# Altium PCB miniBackplane.PcbDoc (part 22 of 24) (continued)
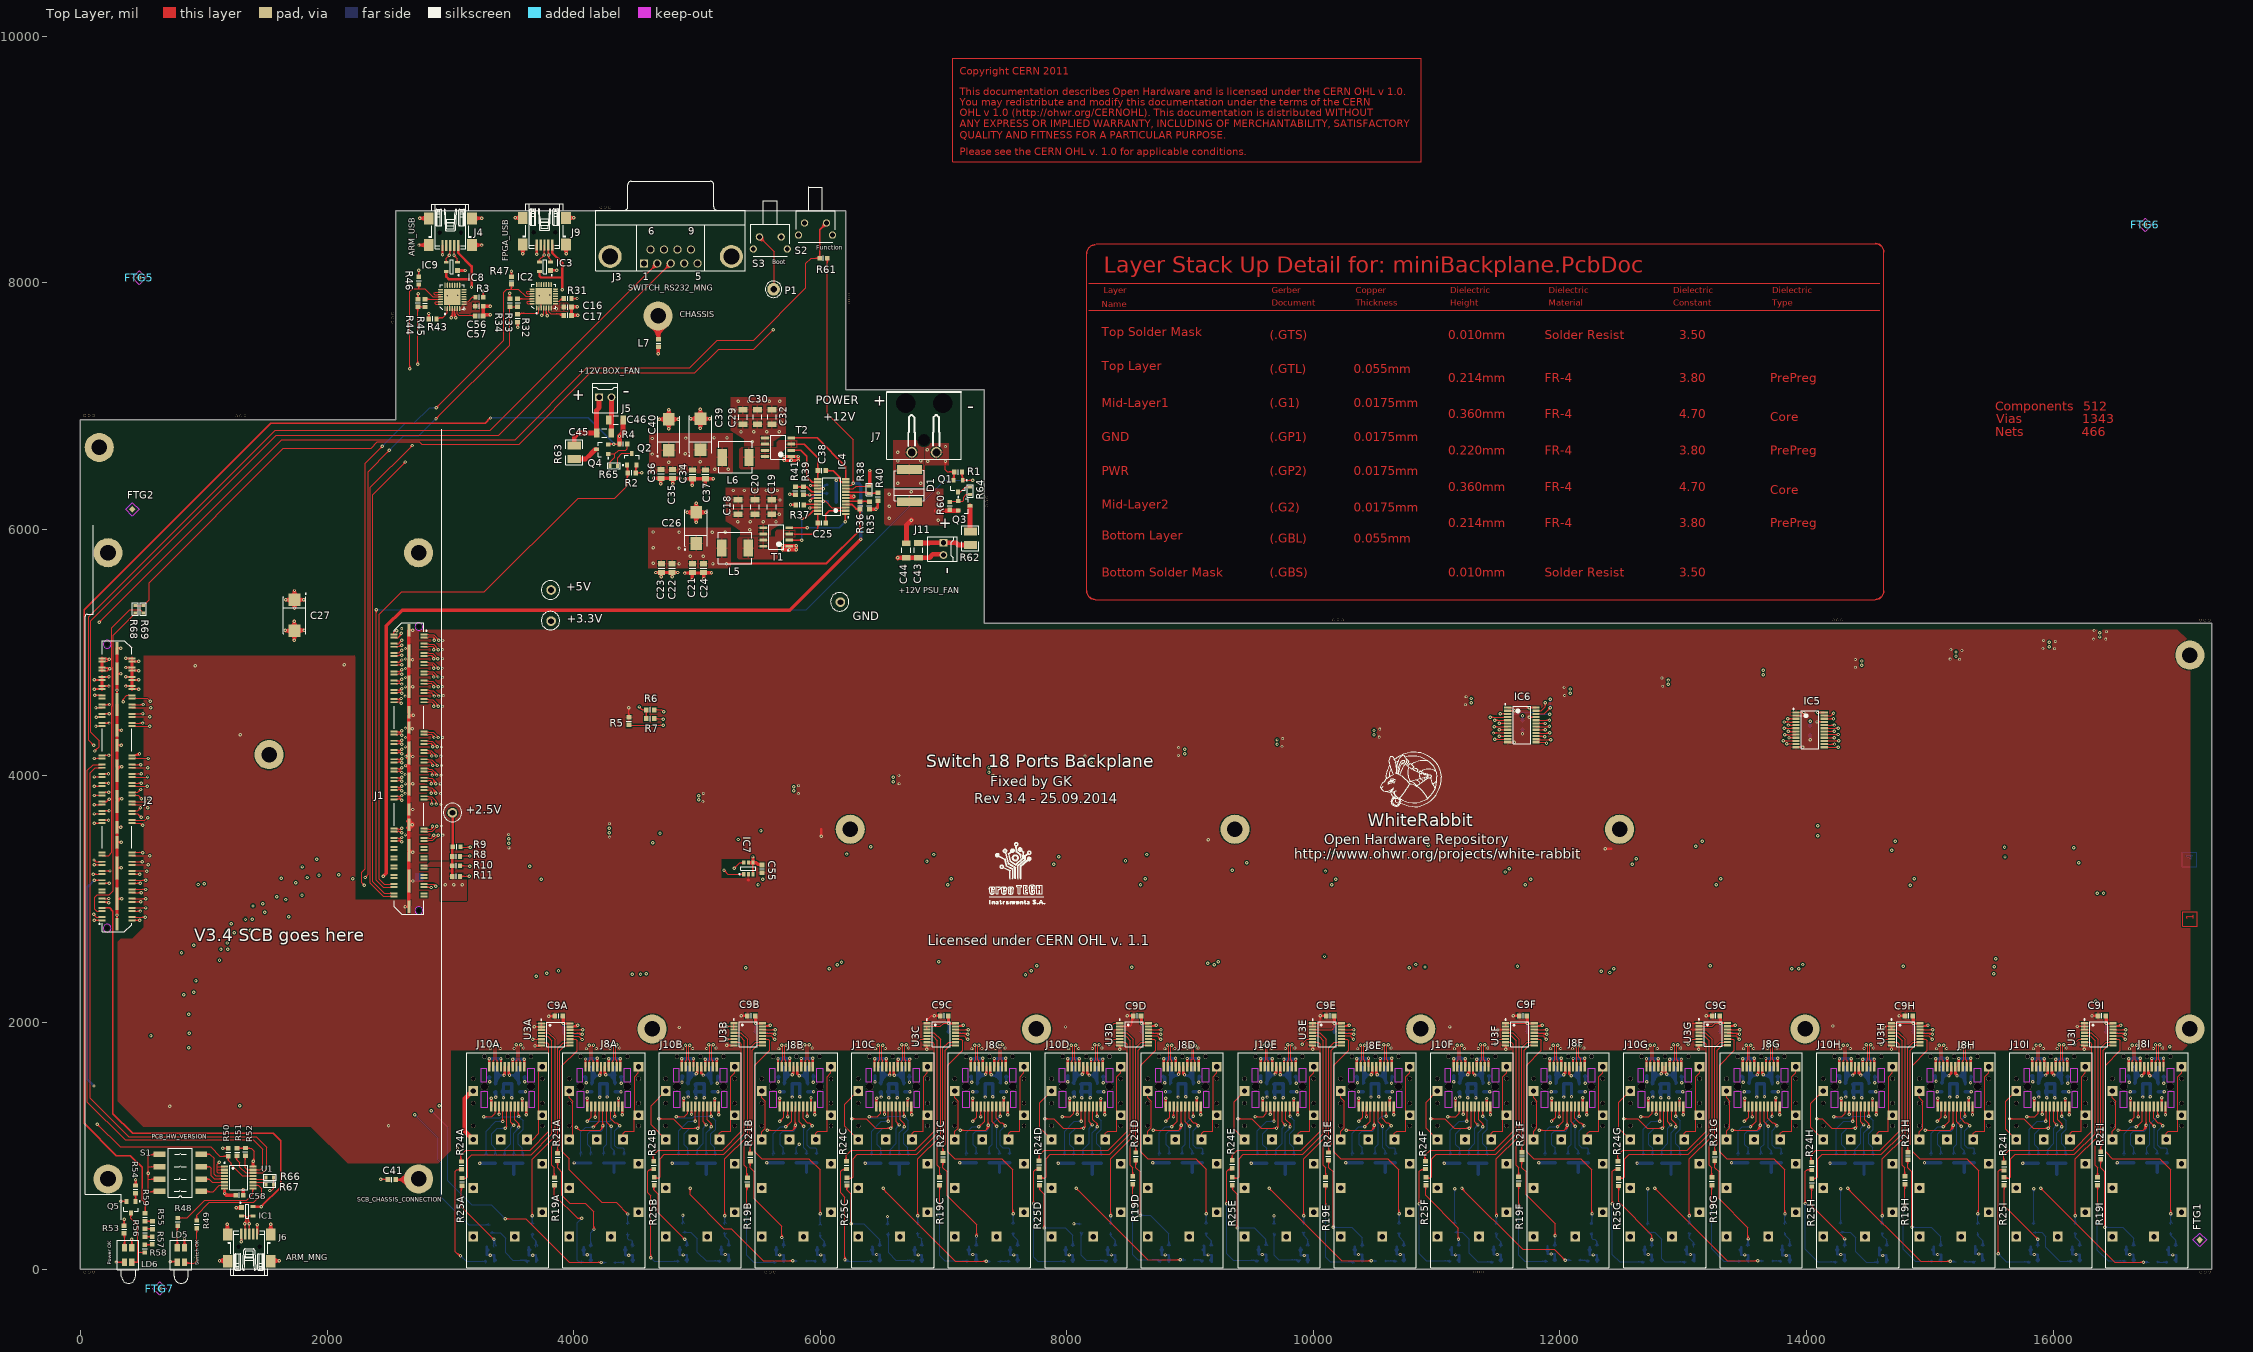
[diagram p0: Top Layer view]
## Nets (pads, with @x,y where several pads share a name; then routed paths per layer and width w, separated by ;. In a path a pad name is that pad's centre, name@x,y a point inside that pad or via, vN(x,y) a via of type N, cw(c..) or ccw(c..) an arc to the next point about the centre after c; other vN are vias at no path point) (continued)
  Mid-Layer 2 w7.09: v1(13455.69,1863.62) 13455.69,1843.62 ; v1(13560.69,1233.62) 13418.68,1233.62 13290.69,1361.61 13290.69,1678.62 13455.69,1843.62 ; 13455.69,1843.62 ccw(c13441.27,1843.62) 13449.71,1855.32 cw(c13441.27,1843.62) 13455.69,1843.62 ; 13455.69,1843.62 cw(c13470.11,1843.62) 13461.68,1855.32 ccw(c13470.11,1843.62) 13455.69,1843.62 ; 13535.98,1233.62 ccw(c13535.98,1258.33) 13553.45,1240.86 cw(c13535.98,1258.33) 13535.98,1233.62 ; 13535.98,1233.62 cw(c13535.98,1208.91) 13553.45,1226.38 ccw(c13535.98,1208.91) 13535.98,1233.62
SFP1_TX_DISABLEH: J8H.3 U3H.12 | length 1494.6
  Top Layer w7.87: U3H.12@14921.83,1890.83 14993.49,1890.83 v1(15020.69,1863.62) ; 15005.22,1877.61 cw(c15000.35,1859.46) v1@15018.76,1863.23 ; 15006.7,1879.1 ccw(c15024.86,1883.96) v1@15021.09,1865.55 ; v1(15125.69,1233.62) J8H.3@15125.69,1319.52 ; 14953.4,1890.83 ccw(c14953.4,1878.95) 14945,1887.35 cw(c14953.4,1878.95) 14953.4,1890.83 ; 14953.4,1890.83 cw(c14953.4,1902.71) 14945,1894.31 ccw(c14953.4,1902.71) 14953.4,1890.83 ; 15003.89,1880.42 ccw(c15020.69,1897.23) 15020.69,1873.46 cw(c15020.69,1897.23) 15003.89,1880.42 ; 15003.89,1880.42 cw(c14987.09,1863.62) 15010.85,1863.62 ccw(c14987.09,1863.62) 15003.89,1880.42 ; 15125.69,1257.38 ccw(c15149.45,1257.38) 15132.65,1240.58 cw(c15149.45,1257.38) 15125.69,1257.38 ; 15125.69,1257.38 cw(c15101.93,1257.38) 15118.73,1240.58 ccw(c15101.93,1257.38) 15125.69,1257.38 ; J8H.3@15122.04,1284.68 cw(c15113.24,1275.87) 15125.69,1275.87 ccw(c15113.24,1275.87) J8H.3@15122.04,1284.68 ; 15125.69,1273.33 cw(c15141.75,1273.33) 15130.4,1284.68 ccw(c15141.75,1273.33) 15125.69,1273.33
  Mid-Layer 2 w7.09: v1(15020.69,1863.62) 15020.69,1843.62 ; v1(15125.69,1233.62) 14983.68,1233.62 14855.69,1361.61 14855.69,1678.62 15020.69,1843.62 ; 15020.69,1843.62 ccw(c15006.27,1843.62) 15014.71,1855.32 cw(c15006.27,1843.62) 15020.69,1843.62 ; 15020.69,1843.62 cw(c15035.11,1843.62) 15026.68,1855.32 ccw(c15035.11,1843.62) 15020.69,1843.62 ; 15100.98,1233.62 ccw(c15100.98,1258.33) 15118.45,1240.86 cw(c15100.98,1258.33) 15100.98,1233.62 ; 15100.98,1233.62 cw(c15100.98,1208.91) 15118.45,1226.38 ccw(c15100.98,1208.91) 15100.98,1233.62
SFP1_TX_DISABLEI: J8I.3 U3I.12 | length 1494.6
  Top Layer w7.87: U3I.12@16486.83,1890.83 16558.49,1890.83 v1(16585.69,1863.62) ; 16570.22,1877.61 cw(c16565.35,1859.46) v1@16583.76,1863.23 ; 16571.7,1879.1 ccw(c16589.86,1883.96) v1@16586.09,1865.55 ; v1(16690.69,1233.62) J8I.3@16690.69,1319.52 ; 16518.4,1890.83 ccw(c16518.4,1878.95) 16510,1887.35 cw(c16518.4,1878.95) 16518.4,1890.83 ; 16518.4,1890.83 cw(c16518.4,1902.71) 16510,1894.31 ccw(c16518.4,1902.71) 16518.4,1890.83 ; 16568.89,1880.42 ccw(c16585.69,1897.23) 16585.69,1873.46 cw(c16585.69,1897.23) 16568.89,1880.42 ; 16568.89,1880.42 cw(c16552.09,1863.62) 16575.85,1863.62 ccw(c16552.09,1863.62) 16568.89,1880.42 ; 16690.69,1257.38 ccw(c16714.45,1257.38) 16697.65,1240.58 cw(c16714.45,1257.38) 16690.69,1257.38 ; 16690.69,1257.38 cw(c16666.93,1257.38) 16683.73,1240.58 ccw(c16666.93,1257.38) 16690.69,1257.38 ; J8I.3@16687.04,1284.68 cw(c16678.24,1275.87) 16690.69,1275.87 ccw(c16678.24,1275.87) J8I.3@16687.04,1284.68 ; 16690.69,1273.33 cw(c16706.75,1273.33) 16695.4,1284.68 ccw(c16706.75,1273.33) 16690.69,1273.33
  Mid-Layer 2 w7.09: v1(16585.69,1863.62) 16585.69,1843.62 ; v1(16690.69,1233.62) 16548.68,1233.62 16420.69,1361.61 16420.69,1678.62 16585.69,1843.62 ; 16585.69,1843.62 ccw(c16571.27,1843.62) 16579.71,1855.32 cw(c16571.27,1843.62) 16585.69,1843.62 ; 16585.69,1843.62 cw(c16600.11,1843.62) 16591.68,1855.32 ccw(c16600.11,1843.62) 16585.69,1843.62 ; 16665.98,1233.62 ccw(c16665.98,1258.33) 16683.45,1240.86 cw(c16665.98,1258.33) 16665.98,1233.62 ; 16665.98,1233.62 cw(c16665.98,1208.91) 16683.45,1226.38 ccw(c16665.98,1208.91) 16665.98,1233.62
USB_5VBUS: IC1.4 J2.7 J6.1 | length 4464.6
  Top Layer w11.81: J2.7@185.04,2929.37 235.98,2929.37 263.78,2901.57 263.78,1260.22 424,1100 1564,1100 1625,1039 1625,665.05 v1@1467.34,510.39 ; J6.1@1301.22,244.11 cw(c1291.31,234.2) v1@1305.33,234.2 ; J6.1@1302.69,246.59 cw(c1290.41,239.5) 1304.11,235.83 ; v1(1305.33,221.38) J6.1@1305.33,288.39 ; 1305.33,237.19 cw(c1317.47,237.19) J6.1@1308.89,245.78 ; 1306.6,235.67 cw(c1317.32,238.54) J6.1@1309.04,245.94 ; v1@1475.21,506.31 cw(c1503.97,506.04) 1483.83,526.57 ; J6.1@1305.33,240.39 ccw(c1324.34,240.39) 1310.9,226.95 cw(c1324.34,240.39) J6.1@1305.33,240.39 ; J6.1@1305.33,240.39 cw(c1286.32,240.39) 1299.76,226.95 ccw(c1286.32,240.39) J6.1@1305.33,240.39 ; v1@1301.72,228.38 ccw(c1298.81,234.02) 1304.94,235.66 cw(c1298.81,234.02) v1@1301.72,228.38
  Top Layer w19.68: IC1.4@1400.02,506.39 v1(1467.34,506.39)
  Mid-Layer 2 w27.56: v1(1305.33,221.38) 1369.38,221.38 1473,325 1473,497.73 v1(1467.34,506.39) cw(c1453.67,492.72) 1473,492.72
USB_ARM_TEST_N: IC8.5 IC9.2 J4.2 | length 1602.2
  Top Layer w9.84: v1@3029.04,8222.8 ccw(c3043.42,8225.75) 3039.62,8211.56 ; v1@3030.2,8223.96 cw(c3027.25,8209.58) 3041.44,8213.38 ; J4.2@3031.5,8301.92 3031.5,8224.5 v1(3030,8223) 3057.28,8195.72 IC9.2@3057.28,8166.4 ; IC8.5@3035.68,7790.51 3033.91,7788.74 3033.91,7726.45 ; v1@3036.48,7719.43 ccw(c3020.04,7724.13) 3034.85,7732.68 ccw(c3046.79,7739.58) v1@3045.7,7725.83 ; v1@3037.63,7721.92 ccw(c3019.02,7734.35) 3038.4,7745.54 ; v1@3043.36,7717 3033.91,7726.45 ; v1@3045.82,7716.45 ccw(c3033.7,7724.54) 3046.32,7731.83 ; 3031.5,8254.61 ccw(c3019.61,8254.61) 3028.02,8263.01 cw(c3019.61,8254.61) 3031.5,8254.61 ; 3031.5,8254.61 cw(c3043.38,8254.61) 3034.98,8263.01 ccw(c3043.38,8254.61) 3031.5,8254.61 ; 3033.91,7726.45 ccw(c3038.63,7731.17) 3041.37,7725.08 cw(c3038.63,7731.17) 3033.91,7726.45 ; 3033.91,7726.45 cw(c3027.77,7720.31) 3036.3,7718.67 ccw(c3027.77,7720.31) 3033.91,7726.45 ; 3045.12,8207.88 ccw(c3030,8192.76) 3030,8214.14 cw(c3030,8192.76) 3045.12,8207.88 ; 3045.12,8207.88 cw(c3060.24,8223) 3038.86,8223 ccw(c3060.24,8223) 3045.12,8207.88 ; 3057.28,8183.04 ccw(c3073.91,8183.04) 3062.15,8171.27 cw(c3073.91,8183.04) 3057.28,8183.04 ; 3057.28,8183.04 cw(c3040.64,8183.04) 3052.4,8171.27 ccw(c3040.64,8183.04) 3057.28,8183.04 ; v1@3023.74,8229.26 ccw(c3005,8248) 3031.5,8248 cw(c3005,8248) v1@3023.74,8229.26 ; 3031.5,8240.77 ccw(c3047.77,8240.77) 3036.26,8229.26 cw(c3047.77,8240.77) 3031.5,8240.77 ; 3033.91,7741.39 ccw(c3069.39,7741.39) 3044.3,7716.3 cw(c3069.39,7741.39) 3033.91,7741.39 ; 3033.91,7765.15 ccw(c3093.15,7765.15) 3051.26,7723.26 cw(c3093.15,7765.15) 3033.91,7765.15 ; 3033.91,7769.09 cw(c3042.34,7769.09) 3036.38,7775.05 ccw(c3042.34,7769.09) 3033.91,7769.09
  Mid-Layer 2 w7.09: v1@3021.6,8217.15 cw(c3011.07,8209.81) 3022.19,8203.39 ; v1@3022.53,8216 cw(c3009.51,8203.78) 3024.91,8194.75 ; 3023.95,8206.44 cw(c3036.36,8199.28) v1@3032.65,8213.11 ; v1@3027.7,8220.85 cw(c3016.72,8210.54) 3029.71,8202.92 ; v1(3030,8223) 3019.87,8212.87 3019.87,8031.13 3029.1,8021.9 3029.1,7743.86 3034.31,7738.66 ; v1(3045,7717) 3034.31,7727.69 3034.31,7738.66 ; 3034.31,7738.66 ccw(c3045.74,7738.66) 3045.35,7727.23 cw(c3045.74,7738.66) 3034.31,7738.66 ; 3019.87,8173.84 cw(c3079.16,8173.84) 3037.24,8215.76 ccw(c3079.16,8173.84) 3019.87,8173.84 ; 3019.87,8190.95 cw(c3062.05,8190.95) 3032.23,8220.77 ccw(c3062.05,8190.95) 3019.87,8190.95 ; 3019.87,8208.06 cw(c3044.94,8208.06) 3027.22,8225.78 ccw(c3044.94,8208.06) 3019.87,8208.06 ; 3034.31,7731.33 ccw(c3045.49,7731.33) 3045.11,7720.15 cw(c3045.49,7731.33) 3034.31,7731.33
USB_ARM_TEST_P: IC8.4 IC9.3 J4.3 | length 1667.6
  Top Layer w9.84: IC9.3@2966.72,8166.4 2966.72,8196.72 v1@2994,8224 ; 2981.42,8213.85 cw(c2996.48,8209.82) v1@2992.77,8224.96 ; 2983.9,8212.7 ccw(c2980.32,8226.06) v1@2993.97,8223.84 ; v1(2993,8224) 2997,8221 v1@2994,8224 ; J4.3@2995.74,8264.03 cw(c2982.23,8256.23) 2997.3,8252.19 ; 2995.99,8246.29 ccw(c3006.61,8240.15) v1@2998.71,8230.78 ; J4.3@3000,8301.92 3000,8230 v1@2994,8224 ; 3006.45,7730.87 ccw(c3017.59,7724.43) v1@3007.55,7716.38 ; v1(3008.32,7717) 3017.97,7726.65 3017.97,7768.13 ; v1@3008.74,7725.85 ccw(c3009.17,7735.12) 3017.2,7730.48 ccw(c3027.17,7724.72) v1@3016.52,7720.36 ; 3013.65,7743.34 ccw(c3029.65,7734.1) v1@3015.23,7722.54 ; IC8.4@3016,7790.51 3017.77,7788.74 3017.77,7768.33 ; 2966.72,8183.04 ccw(c2983.36,8183.04) 2971.6,8171.27 cw(c2983.36,8183.04) 2966.72,8183.04 ; 2966.72,8183.04 cw(c2950.09,8183.04) 2961.85,8171.27 ccw(c2950.09,8183.04) 2966.72,8183.04 ; 3000,8254.61 ccw(c2988.12,8254.61) 2996.52,8263.01 cw(c2988.12,8254.61) 3000,8254.61 ; 3000,8254.61 cw(c3011.88,8254.61) 3003.48,8263.01 ccw(c3011.88,8254.61) 3000,8254.61 ; IC8.4@3015.3,7775.05 cw(c3009.35,7769.09) 3017.77,7769.09 ccw(c3009.35,7769.09) IC8.4@3015.3,7775.05 ; IC8.4@3015.3,7775.05 cw(c3008.87,7768.62) 3017.97,7768.62 ; IC8.4@3015.3,7775.05 cw(c3008.87,7768.62) 3017.97,7768.62 ; IC8.4@3015.3,7775.05 cw(c3008.87,7768.62) 3017.97,7768.62 ; IC8.4@3015.3,7775.05 cw(c3008.87,7768.62) 3017.97,7768.62 ; 3017.77,7768.33 cw(c3021.84,7772.39) 3016.85,7775.26 ccw(c3021.84,7772.39) 3017.77,7768.33 ; 3017.77,7768.33 3017.97,7768.13 ; 3017.97,7768.13 cw(c3022.29,7772.46) 3016.87,7775.29 ccw(c3022.29,7772.46) 3017.97,7768.13 ; 2977.17,8207.17 ccw(c2960.34,8224) 2984.14,8224 cw(c2960.34,8224) 2977.17,8207.17 ; 2979.59,8209.59 cw(c2993,8196.17) 2993,8215.14 ccw(c2993,8196.17) 2979.59,8209.59 ; v1@2986.74,8230.26 ccw(c2954.71,8262.29) 3000,8262.29 cw(c2954.71,8262.29) v1@2986.74,8230.26 ; v1@2993.7,8223.3 ccw(c2978.48,8238.52) 3000,8238.52 cw(c2978.48,8238.52) v1@2993.7,8223.3 ; v1@3002.06,7723.26 ccw(c2963.65,7761.67) 3017.97,7761.67 cw(c2963.65,7761.67) v1@3002.06,7723.26 ; v1@3009.02,7716.3 ccw(c2987.41,7737.91) 3017.97,7737.91 cw(c2987.41,7737.91) v1@3009.02,7716.3
  Mid-Layer 2 w7.09: v1@2990.35,8214.11 cw(c2986.64,8200.28) 2999.05,8207.44 ; 2993.63,8203.77 cw(c3006.69,8211.68) v1@2995.34,8221.89 ; v1@2994,8224 2994,8222.25 3004.13,8212.13 3004.13,8024.6 3013.36,8015.37 3013.36,7739.36 3008.32,7734.32 ; 2998.57,8195.61 cw(c3014.1,8205.01) v1@3000.61,8217.15 ; 3001.69,8202.86 cw(c3015.32,8210.72) v1@3001.8,8218.77 ; v1(3008.32,7717) 3008.32,7734.32 ; 3008.32,7734.32 ccw(c3017.86,7734.32) 3013.26,7725.97 cw(c3017.86,7734.32) 3008.32,7734.32 ; 3008.32,7734.32 cw(c2998.78,7734.32) 3003.39,7725.97 ccw(c2998.78,7734.32) 3008.32,7734.32 ; v1@2985.76,8216.76 cw(c2941.43,8172.43) 3004.13,8172.43 ccw(c2941.43,8172.43) v1@2985.76,8216.76 ; v1@2990.77,8221.77 cw(c2958.54,8189.54) 3004.13,8189.54 ccw(c2958.54,8189.54) v1@2990.77,8221.77 ; v1@2995.78,8226.78 cw(c2975.64,8206.64) 3004.13,8206.64 ccw(c2975.64,8206.64) v1@2995.78,8226.78
USB_DDP_N: IC1.2 J2.9 J6.2 | length 3975.1
  Top Layer w9.84: J2.9@198.17,2980.27 ccw(c206.4,2985.02) 203.94,2975.84 ; 209.32,2974.56 ccw(c215.91,2983.96) v1@224.27,2976.08 ; v1(230.71,2970) 221.92,2978.79 J2.9@192.91,2978.79 ; IC1.2@1307.06,430.99 1336.12,430.99 1343.72,423.39 1343.72,378.23 ; IC1.2@1319.81,426.12 cw(c1331.57,414.35) 1331.57,430.99 cw(c1331.57,447.62) IC1.2@1319.81,435.86 ; IC1.2@1320.47,426.73 cw(c1330.76,416.44) 1330.76,430.99 ; IC1.2@1320.47,436.47 ccw(c1333.7,449.71) 1333.7,430.99 ; J6.2@1332.02,321.24 ccw(c1322.81,330.46) 1335.84,330.46 ; 1332.08,382.39 ccw(c1343.41,375.84) v1@1333.1,367.78 ; v1@1334.12,377.24 ccw(c1334.39,387.1) 1342.93,382.17 ccw(c1353.51,376.06) v1@1342.13,371.61 ; J6.2@1335.84,322.53 1335.84,366.42 v1(1333.87,368.39) 1343.72,378.23 ; J6.2@1335.84,328.82 ccw(c1346.57,328.82) J6.2@1338.98,321.24 ; 1335.84,335.55 ccw(c1353.72,335.55) J6.2@1341.08,322.91 ; 1339.37,395.03 ccw(c1355.81,385.53) v1@1340.85,373.84 ; J2.9@192.91,2978.79 cw(c192.91,2938.36) 223.92,2964.31 ccw(c192.91,2938.36) J2.9@192.91,2978.79 ; 1343.72,378.23 cw(c1339.12,382.83) 1336.9,376.72 ccw(c1339.12,382.83) 1343.72,378.23 ; 1343.72,378.23 ccw(c1348.32,373.63) 1342.2,371.41 cw(c1348.32,373.63) 1343.72,378.23 ; 213.99,2978.79 cw(c213.99,2956) 231.46,2970.63 ccw(c213.99,2956) 213.99,2978.79 ; v1@1327.61,362.13 cw(c1307.74,342.25) 1335.84,342.25 ccw(c1307.74,342.25) v1@1327.61,362.13 ; v1@1327.61,374.65 ccw(c1288.73,413.54) 1343.72,413.54 cw(c1288.73,413.54) v1@1327.61,374.65 ; v1@1334.57,367.69 ccw(c1312.49,389.78) 1343.72,389.78 cw(c1312.49,389.78) v1@1334.57,367.69 ; 1335.84,351.76 cw(c1350.51,351.76) 1340.14,362.13 ccw(c1350.51,351.76) 1335.84,351.76
  Mid-Layer 2 w7.09: v1(230.71,2970) 240.55,2979.84 257.89,2979.84 ; v1@1326.64,375.63 ccw(c1284.72,417.55) 1344,417.55 ; v1@1331.65,370.62 ccw(c1301.82,400.44) 1344,400.44 ; v1@1336.66,365.61 ccw(c1318.93,383.33) 1344,383.33 ; v1@1344,368.39 1344,539.48 335.25,1548.23 335.25,2902.48 257.89,2979.84 ; 257.89,2979.84 ccw(c257.89,2961.65) 240.49,2966.99 cw(c257.89,2961.65) 257.89,2979.84 ; v1@233.72,2969.07 cw(c248.29,2964.6) 248.29,2979.84 ccw(c248.29,2964.6) v1@233.72,2969.07
USB_DDP_P: IC1.3 J2.11 J6.3 | length 3980.1
  Top Layer w9.84: J2.11@192.91,3003.79 v1@229.07,3003.79 ; v1@1361.06,371.61 ccw(c1349.67,376.06) 1360.25,382.17 ccw(c1368.79,387.1) v1@1369.06,377.24 ; v1@1362.33,373.84 ccw(c1347.37,385.53) 1363.81,395.03 ; J6.3@1363.52,321.24 ccw(c1354.3,330.46) 1367.34,330.46 ; J6.3@1367.34,322.53 1367.34,366.42 v1(1369.31,368.39) 1359.46,378.23 ; J6.3@1367.34,328.82 ccw(c1378.06,328.82) J6.3@1370.48,321.24 ; 1367.34,335.55 ccw(c1385.21,335.55) J6.3@1372.57,322.91 ; v1@1370.08,367.78 ccw(c1359.77,375.84) 1371.1,382.39 ; 1372.3,430.99 ccw(c1372.3,449.71) IC1.3@1385.53,436.47 ; 1375.24,430.99 cw(c1375.24,416.44) IC1.3@1385.53,426.73 ; IC1.3@1384.87,426.12 ccw(c1373.11,414.35) 1373.11,430.99 ccw(c1373.11,447.62) IC1.3@1384.87,435.86 ; IC1.3@1397.61,430.99 1367.06,430.99 1359.46,423.39 1359.46,378.23 ; 1359.46,378.23 cw(c1354.86,373.63) 1360.98,371.41 ccw(c1354.86,373.63) 1359.46,378.23 ; 1359.47,378.23 ccw(c1364.07,382.83) 1366.29,376.72 cw(c1364.07,382.83) 1359.47,378.23 ; 205.36,3003.79 ccw(c205.36,3030.78) 224.44,3011.7 cw(c205.36,3030.78) 205.36,3003.79 ; 213.29,3003.79 cw(c213.29,2988.01) 224.44,2999.17 ccw(c213.29,2988.01) 213.29,3003.79 ; 1359.46,389.78 ccw(c1390.69,389.78) 1368.61,367.69 cw(c1390.69,389.78) 1359.46,389.78 ; 1359.46,413.54 ccw(c1414.46,413.54) 1375.57,374.65 cw(c1414.46,413.54) 1359.46,413.54 ; v1@1363.04,362.13 cw(c1352.67,351.76) 1367.34,351.76 ccw(c1352.67,351.76) v1@1363.04,362.13 ; 1367.34,342.25 cw(c1395.45,342.25) 1375.57,362.13 ccw(c1395.45,342.25) 1367.34,342.25
  Mid-Layer 2 w7.09: v1(230.71,3005.43) 240.55,2995.59 264.41,2995.59 ; v1@1359.75,368.39 1359.75,546 351,1554.75 351,2909 264.41,2995.59 ; 1359.75,381.96 ccw(c1382.88,381.96) v1@1366.52,365.61 ; 1359.75,399.07 ccw(c1399.99,399.07) v1@1371.53,370.62 ; 1359.75,416.18 ccw(c1417.1,416.18) v1@1376.55,375.63 ; 264.41,2995.59 cw(c264.41,3023.67) 239.71,3010.31 ccw(c264.41,3023.67) 264.41,2995.59 ; v1@227.25,3003.56 ccw(c240.62,3010.8) 240.62,2995.59 cw(c240.62,3010.8) v1@227.25,3003.56 ; v1@233.48,3006.93 ccw(c252.51,3017.24) 252.51,2995.59 cw(c252.51,3017.24) v1@233.48,3006.93
USB_HDP_N: J2.13
USB_HDP_P: J2.15
USB_TEST_N: IC2.5 IC3.2 J9.2 | length 1587.7
  Top Layer w9.84: IC2.5@3778.35,7795.37 3778.35,7747.73 ; v1@3780.25,7737.53 ccw(c3769.48,7748.03) 3782.51,7755.55 ; v1@3786.22,7739.86 3778.35,7747.73 ; v1@3795.35,8226.83 J9.2@3795.35,8305.92 ; v1(3797.32,8224.86) 3797.32,8204.54 ; IC3.2@3813.94,8167.26 3813.94,8187.92 3797.32,8204.54 ; 3778.35,7747.73 cw(c3772.1,7741.49) 3779.34,7736.42 ccw(c3772.1,7741.49) 3778.35,7747.73 ; 3795.35,8258.61 ccw(c3783.47,8258.61) 3791.87,8267.01 cw(c3783.47,8258.61) 3795.35,8258.61 ; 3795.35,8258.61 cw(c3807.24,8258.61) 3798.83,8267.01 ccw(c3807.24,8258.61) 3795.35,8258.61 ; 3797.32,8204.54 ccw(c3778.44,8204.54) 3791.29,8218.37 cw(c3778.44,8204.54) 3797.32,8204.54 ; 3797.32,8204.54 cw(c3816.2,8204.54) 3803.35,8218.37 ccw(c3816.2,8204.54) 3797.32,8204.54 ; 3813.94,8183.89 ccw(c3830.57,8183.89) 3818.81,8172.13 cw(c3830.57,8183.89) 3813.94,8183.89 ; 3813.94,8183.89 cw(c3797.3,8183.89) 3809.07,8172.13 ccw(c3797.3,8183.89) 3813.94,8183.89 ; 3778.35,7748.89 ccw(c3804.14,7748.89) 3785.9,7730.65 cw(c3804.14,7748.89) 3778.35,7748.89 ; 3778.35,7772.65 ccw(c3827.91,7772.65) 3792.86,7737.61 cw(c3827.91,7772.65) 3778.35,7772.65 ; v1@3791.06,8231.12 ccw(c3780.69,8241.49) 3795.35,8241.49 cw(c3780.69,8241.49) v1@3791.06,8231.12 ; 3795.35,8251 ccw(c3823.46,8251) 3803.59,8231.12 cw(c3823.46,8251) 3795.35,8251
  Mid-Layer 2 w7.09: v1@3777.75,7731.35 3777.75,7956.48 3787.48,7966.21 3787.48,8215.02 v1(3797.32,8224.86) ; v1@3778.87,7738.05 ccw(c3771.71,7744.27) 3779.92,7749.01 ; v1@3779.6,7738.81 ccw(c3768.77,7750.35) 3782.47,7758.26 ; 3780.55,7747.91 ccw(c3792.96,7755.07) v1@3789.25,7741.23 ; v1@3784.44,7733.64 ccw(c3775.05,7743.66) 3786.94,7750.53 ; v1@3789.06,8218.82 cw(c3779.32,8211.71) 3789.76,8205.68 ; v1@3789.9,8217.81 cw(c3777.02,8205.57) 3792.38,8196.65 ; 3791.27,8208.3 cw(c3803.68,8201.13) v1@3799.97,8214.97 ; v1@3795.04,8222.69 cw(c3784.17,8212.36) 3797.13,8204.83 ; 3777.75,7743.21 ccw(c3798.46,7743.21) 3783.81,7728.56 cw(c3798.46,7743.21) 3777.75,7743.21 ; 3777.75,7760.32 ccw(c3815.57,7760.32) 3788.83,7733.57 cw(c3815.57,7760.32) 3777.75,7760.32 ; 3777.75,7777.43 ccw(c3832.68,7777.43) 3793.84,7738.58 cw(c3832.68,7777.43) 3777.75,7777.43 ; 3787.48,8176.38 cw(c3845.8,8176.38) 3804.56,8217.62 ccw(c3845.8,8176.38) 3787.48,8176.38 ; 3787.48,8193.49 cw(c3828.69,8193.49) 3799.55,8222.63 ccw(c3828.69,8193.49) 3787.48,8193.49 ; 3787.48,8210.6 cw(c3811.58,8210.6) 3794.54,8227.64 ccw(c3811.58,8210.6) 3787.48,8210.6
  other v1: 3786.6,7731.35
USB_TEST_P: IC2.4 IC3.3 J9.3 | length 1364
  Top Layer w9.84: IC3.3@3723.39,8167.26 3723.39,8186.35 v1(3761.89,8224.86) ; 3750.45,8215.24 cw(c3764.64,8211.44) v1@3761.69,8225.82 ; v1@3750.79,7739.86 3758.66,7747.73 ; 3752.27,8213.42 ccw(c3748.47,8227.61) v1@3762.85,8224.66 ; IC2.4@3758.66,7795.37 3758.66,7747.73 ; v1@3763.86,8226.83 J9.3@3763.86,8305.92 ; 3723.39,8183.89 ccw(c3740.02,8183.89) 3728.26,8172.13 cw(c3740.02,8183.89) 3723.39,8183.89 ; 3723.39,8183.89 cw(c3706.75,8183.89) 3718.51,8172.13 ccw(c3706.75,8183.89) 3723.39,8183.89 ; 3746.77,8209.74 ccw(c3731.65,8224.86) 3753.03,8224.86 cw(c3731.65,8224.86) 3746.77,8209.74 ; 3746.77,8209.74 cw(c3761.89,8194.61) 3761.89,8216 ccw(c3761.89,8194.61) 3746.77,8209.74 ; 3758.66,7747.73 cw(c3748.54,7757.85) 3745.3,7743.91 ccw(c3748.54,7757.85) 3758.66,7747.73 ; 3763.86,8258.61 ccw(c3751.98,8258.61) 3760.38,8267.01 cw(c3751.98,8258.61) 3763.86,8258.61 ; 3763.86,8258.61 cw(c3775.74,8258.61) 3767.34,8267.01 ccw(c3775.74,8258.61) 3763.86,8258.61 ; v1@3752.15,7735.28 cw(c3766.48,7735.28) 3756.35,7745.42 ccw(c3766.48,7735.28) v1@3752.15,7735.28 ; v1@3755.63,8231.12 ccw(c3735.75,8251) 3763.86,8251 cw(c3735.75,8251) v1@3755.63,8231.12 ; 3763.86,8241.49 ccw(c3778.52,8241.49) 3768.15,8231.12 cw(c3778.52,8241.49) 3763.86,8241.49
  Mid-Layer 2 w7.09: v1(3743.29,7735.28) 3762,7753.99 3762,7963 3771.73,7972.73 3771.73,8215.02 v1(3761.89,8224.86) ; v1@3759.24,8214.97 cw(c3755.53,8201.13) 3767.94,8208.3 ; 3762.08,8204.83 cw(c3775.05,8212.36) v1@3764.17,8222.69 ; 3766.83,8196.65 cw(c3782.19,8205.57) v1@3769.31,8217.81 ; 3769.45,8205.68 cw(c3779.89,8211.71) v1@3770.16,8218.82 ; 3760.77,7752.76 ccw(c3778.24,7735.28) 3753.53,7735.28 cw(c3778.24,7735.28) 3760.77,7752.76 ; 3760.77,7752.76 cw(c3743.29,7770.23) 3743.29,7745.52 ccw(c3743.29,7770.23) 3760.77,7752.76 ; v1@3754.65,8217.62 cw(c3713.42,8176.38) 3771.73,8176.38 ccw(c3713.42,8176.38) v1@3754.65,8217.62 ; v1@3759.66,8222.63 cw(c3730.52,8193.49) 3771.73,8193.49 ccw(c3730.52,8193.49) v1@3759.66,8222.63 ; v1@3764.67,8227.64 cw(c3747.63,8210.6) 3771.73,8210.6 ccw(c3747.63,8210.6) v1@3764.67,8227.64
WR_LINK0_LED_LINKA: R23A.1 U3A.4 | length 1987.8
  Top Layer w7.87: v1(3664.67,431.41) 3664.67,891.96 3849.67,1076.96 3849.67,1861.96 3794.67,1916.96 U3A.4@3749.67,1916.96 ; 3664.67,455.17 ccw(c3688.43,455.17) 3671.63,438.37 cw(c3688.43,455.17) 3664.67,455.17 ; 3664.67,455.17 cw(c3640.91,455.17) 3657.71,438.37 ccw(c3640.91,455.17) 3664.67,455.17 ; U3A.4@3761.69,1911.28 cw(c3775.42,1897.55) 3775.42,1916.96 ccw(c3775.42,1897.55) U3A.4@3761.69,1911.28
  Bottom Layer w7.87: R23A.1@3664.67,357.91 v1(3664.67,431.41) ; 3664.67,407.65 ccw(c3640.91,407.65) 3657.71,424.45 cw(c3640.91,407.65) 3664.67,407.65 ; 3664.67,407.65 cw(c3688.43,407.65) 3671.63,424.45 ccw(c3688.43,407.65) 3664.67,407.65 ; R23A.1@3655.63,366.36 ccw(c3633.8,388.19) 3664.67,388.19 cw(c3633.8,388.19) R23A.1@3655.63,366.36 ; 3664.67,391.57 ccw(c3700.33,391.57) 3675.11,366.36 cw(c3700.33,391.57) 3664.67,391.57
WR_LINK0_LED_LINKB: R23B.1 U3B.4 | length 1991.7
  Top Layer w7.87: v1@5226.13,429.13 5226.13,893.61 5411.13,1078.61 5411.13,1863.61 5356.13,1918.61 U3B.4@5311.13,1918.61 ; 5226.13,456.82 ccw(c5249.89,456.82) 5233.09,440.02 cw(c5249.89,456.82) 5226.13,456.82 ; 5226.13,456.82 cw(c5202.36,456.82) 5219.17,440.02 ccw(c5202.36,456.82) 5226.13,456.82 ; U3B.4@5323.15,1912.93 cw(c5336.87,1899.21) 5336.87,1918.61 ccw(c5336.87,1899.21) U3B.4@5323.15,1912.93
  Bottom Layer w7.87: R23B.1@5226.13,359.56 v1(5226.13,433.06) ; 5226.13,409.3 ccw(c5202.36,409.3) 5219.17,426.1 cw(c5202.36,409.3) 5226.13,409.3 ; 5226.13,409.3 cw(c5249.89,409.3) 5233.09,426.1 ccw(c5249.89,409.3) 5226.13,409.3 ; R23B.1@5217.04,371.95 ccw(c5195.12,393.87) 5226.13,393.87 cw(c5195.12,393.87) R23B.1@5217.04,371.95 ; 5226.13,397.07 ccw(c5261.65,397.07) 5236.53,371.95 cw(c5261.65,397.07) 5226.13,397.07
WR_LINK0_LED_LINKC: R23C.1 U3C.4 | length 1987.8
  Top Layer w7.87: v1(6791.13,433.07) 6791.13,893.62 6976.13,1078.62 6976.13,1863.62 6921.13,1918.62 U3C.4@6876.13,1918.62 ; 6791.13,456.83 ccw(c6814.89,456.83) 6798.09,440.03 cw(c6814.89,456.83) 6791.13,456.83 ; 6791.13,456.83 cw(c6767.36,456.83) 6784.17,440.03 ccw(c6767.36,456.83) 6791.13,456.83 ; U3C.4@6888.15,1912.94 cw(c6901.87,1899.21) 6901.87,1918.62 ccw(c6901.87,1899.21) U3C.4@6888.15,1912.94
  Bottom Layer w7.87: R23C.1@6791.13,359.57 v1(6791.13,433.07) ; 6791.13,409.31 ccw(c6767.36,409.31) 6784.17,426.11 cw(c6767.36,409.31) 6791.13,409.31 ; 6791.13,409.31 cw(c6814.89,409.31) 6798.09,426.11 ccw(c6814.89,409.31) 6791.13,409.31 ; R23C.1@6782,371.96 ccw(c6759.98,393.98) 6791.13,393.98 cw(c6759.98,393.98) R23C.1@6782,371.96 ; 6791.13,396.98 ccw(c6826.52,396.98) 6801.49,371.96 cw(c6826.52,396.98) 6791.13,396.98
WR_LINK0_LED_LINKD: R23D.1 U3D.4 | length 1987.8
  Top Layer w7.87: v1(8356.13,433.07) 8356.13,893.62 8541.13,1078.62 8541.13,1863.62 8486.13,1918.62 U3D.4@8441.13,1918.62 ; 8356.13,456.83 ccw(c8379.89,456.83) 8363.09,440.03 cw(c8379.89,456.83) 8356.13,456.83 ; 8356.13,456.83 cw(c8332.36,456.83) 8349.17,440.03 ccw(c8332.36,456.83) 8356.13,456.83 ; U3D.4@8453.15,1912.94 cw(c8466.87,1899.21) 8466.87,1918.62 ccw(c8466.87,1899.21) U3D.4@8453.15,1912.94
  Bottom Layer w7.87: R23D.1@8356.13,359.57 v1(8356.13,433.07) ; 8356.13,409.31 ccw(c8332.36,409.31) 8349.17,426.11 cw(c8332.36,409.31) 8356.13,409.31 ; 8356.13,409.31 cw(c8379.89,409.31) 8363.09,426.11 ccw(c8379.89,409.31) 8356.13,409.31 ; R23D.1@8346.96,368.02 ccw(c8324.85,390.14) 8356.13,390.14 cw(c8324.85,390.14) R23D.1@8346.96,368.02 ; 8356.13,392.95 ccw(c8391.38,392.95) 8366.45,368.02 cw(c8391.38,392.95) 8356.13,392.95
WR_LINK0_LED_LINKE: R23E.1 U3E.4 | length 2017.8
  Top Layer w7.87: v1(9921.13,433.07) 9921.13,893.62 10106.13,1078.62 10106.13,1863.62 10051.13,1918.62 U3E.4@10006.13,1918.62 ; 9921.13,456.83 ccw(c9944.89,456.83) 9928.09,440.03 cw(c9944.89,456.83) 9921.13,456.83 ; 9921.13,456.83 cw(c9897.36,456.83) 9914.17,440.03 ccw(c9897.36,456.83) 9921.13,456.83 ; U3E.4@10018.15,1912.94 cw(c10031.87,1899.21) 10031.87,1918.62 ccw(c10031.87,1899.21) U3E.4@10018.15,1912.94
  Bottom Layer w7.87: R23E.1@9921.13,359.57 v1(9921.13,433.07) ; 9921.13,409.31 ccw(c9897.36,409.31) 9914.17,426.11 cw(c9897.36,409.31) 9921.13,409.31 ; 9921.13,409.31 cw(c9944.89,409.31) 9928.09,426.11 ccw(c9944.89,409.31) 9921.13,409.31 ; R23E.1@9909.96,379.83 ccw(c9882.99,406.79) 9921.13,406.79 cw(c9882.99,406.79) R23E.1@9909.96,379.83 ; R23E.1@9915.52,374.26 ccw(c9902,387.78) 9921.13,387.78 cw(c9902,387.78) R23E.1@9915.52,374.26 ; 9921.13,399.91 ccw(c9949.53,399.91) 9929.44,379.83 cw(c9949.53,399.91) 9921.13,399.91
WR_LINK0_LED_LINKF: R23F.1 U3F.4 | length 1987.8
  Top Layer w7.87: v1(11485.69,433.07) 11485.69,893.62 11670.69,1078.62 11670.69,1863.62 11615.69,1918.62 U3F.4@11570.69,1918.62 ; 11485.69,456.83 ccw(c11509.45,456.83) 11492.65,440.03 cw(c11509.45,456.83) 11485.69,456.83 ; 11485.69,456.83 cw(c11461.93,456.83) 11478.73,440.03 ccw(c11461.93,456.83) 11485.69,456.83 ; U3F.4@11582.72,1912.94 cw(c11596.44,1899.21) 11596.44,1918.62 ccw(c11596.44,1899.21) U3F.4@11582.72,1912.94
  Bottom Layer w7.87: R23F.1@11485.69,359.57 v1(11485.69,433.07) ; 11485.69,409.31 ccw(c11461.93,409.31) 11478.73,426.11 cw(c11461.93,409.31) 11485.69,409.31 ; 11485.69,409.31 cw(c11509.45,409.31) 11492.65,426.11 ccw(c11509.45,409.31) 11485.69,409.31 ; R23F.1@11476.45,368.02 ccw(c11454.15,390.33) 11485.69,390.33 cw(c11454.15,390.33) R23F.1@11476.45,368.02 ; 11485.69,392.76 ccw(c11520.68,392.76) 11495.94,368.02 cw(c11520.68,392.76) 11485.69,392.76
WR_LINK0_LED_LINKG: R23G.1 U3G.4 | length 1994.6
  Top Layer w7.87: v1(13050.69,433.07) 13050.69,893.62 13235.69,1078.62 13235.69,1863.62 13180.69,1918.62 U3G.4@13135.69,1918.62 ; 13050.69,456.83 ccw(c13074.45,456.83) 13057.65,440.03 cw(c13074.45,456.83) 13050.69,456.83 ; 13050.69,456.83 cw(c13026.93,456.83) 13043.73,440.03 ccw(c13026.93,456.83) 13050.69,456.83 ; U3G.4@13151.09,1914.83 cw(c13160.24,1905.69) 13160.24,1918.62 ccw(c13160.24,1905.69) U3G.4@13151.09,1914.83 ; U3G.4@13151.09,1921.79 ccw(c13158.75,1929.45) 13158.75,1918.62 cw(c13158.75,1929.45) U3G.4@13151.09,1921.79
  Bottom Layer w7.87: R23G.1@13050.69,359.57 v1(13050.69,433.07) ; 13050.69,409.31 ccw(c13026.93,409.31) 13043.73,426.11 cw(c13026.93,409.31) 13050.69,409.31 ; 13050.69,409.31 cw(c13074.45,409.31) 13057.65,426.11 ccw(c13074.45,409.31) 13050.69,409.31 ; R23G.1@13041.41,371.96 ccw(c13019.01,394.36) 13050.69,394.36 cw(c13019.01,394.36) R23G.1@13041.41,371.96 ; 13050.69,396.6 ccw(c13085.55,396.6) 13060.9,371.96 cw(c13085.55,396.6) 13050.69,396.6
WR_LINK0_LED_LINKH: R23H.1 U3H.4 | length 2029
  Top Layer w7.87: v1(14615.69,433.07) 14615.69,893.62 14800.69,1078.62 14800.69,1863.62 14745.69,1918.62 U3H.4@14700.69,1918.62 ; 14615.69,456.83 ccw(c14639.45,456.83) 14622.65,440.03 cw(c14639.45,456.83) 14615.69,456.83 ; 14615.69,456.83 cw(c14591.93,456.83) 14608.73,440.03 ccw(c14591.93,456.83) 14615.69,456.83 ; U3H.4@14712.72,1912.94 cw(c14726.44,1899.21) 14726.44,1918.62 ccw(c14726.44,1899.21) U3H.4@14712.72,1912.94
  Bottom Layer w7.87: R23H.1@14615.69,359.57 v1(14615.69,433.07) ; 14615.69,409.31 ccw(c14591.93,409.31) 14608.73,426.11 cw(c14591.93,409.31) 14615.69,409.31 ; 14615.69,409.31 cw(c14639.45,409.31) 14622.65,426.11 ccw(c14639.45,409.31) 14615.69,409.31 ; R23H.1@14602.44,371.96 ccw(c14570.44,403.96) 14615.69,403.96 cw(c14570.44,403.96) R23H.1@14602.44,371.96 ; R23H.1@14608.01,366.39 ccw(c14589.45,384.95) 14615.69,384.95 cw(c14589.45,384.95) R23H.1@14608.01,366.39 ; 14615.69,387 ccw(c14636.97,387) 14621.92,371.96 cw(c14636.97,387) 14615.69,387